# Allegro board C000PD020-3399PRO-DMEB-A-A01.brd (continued)
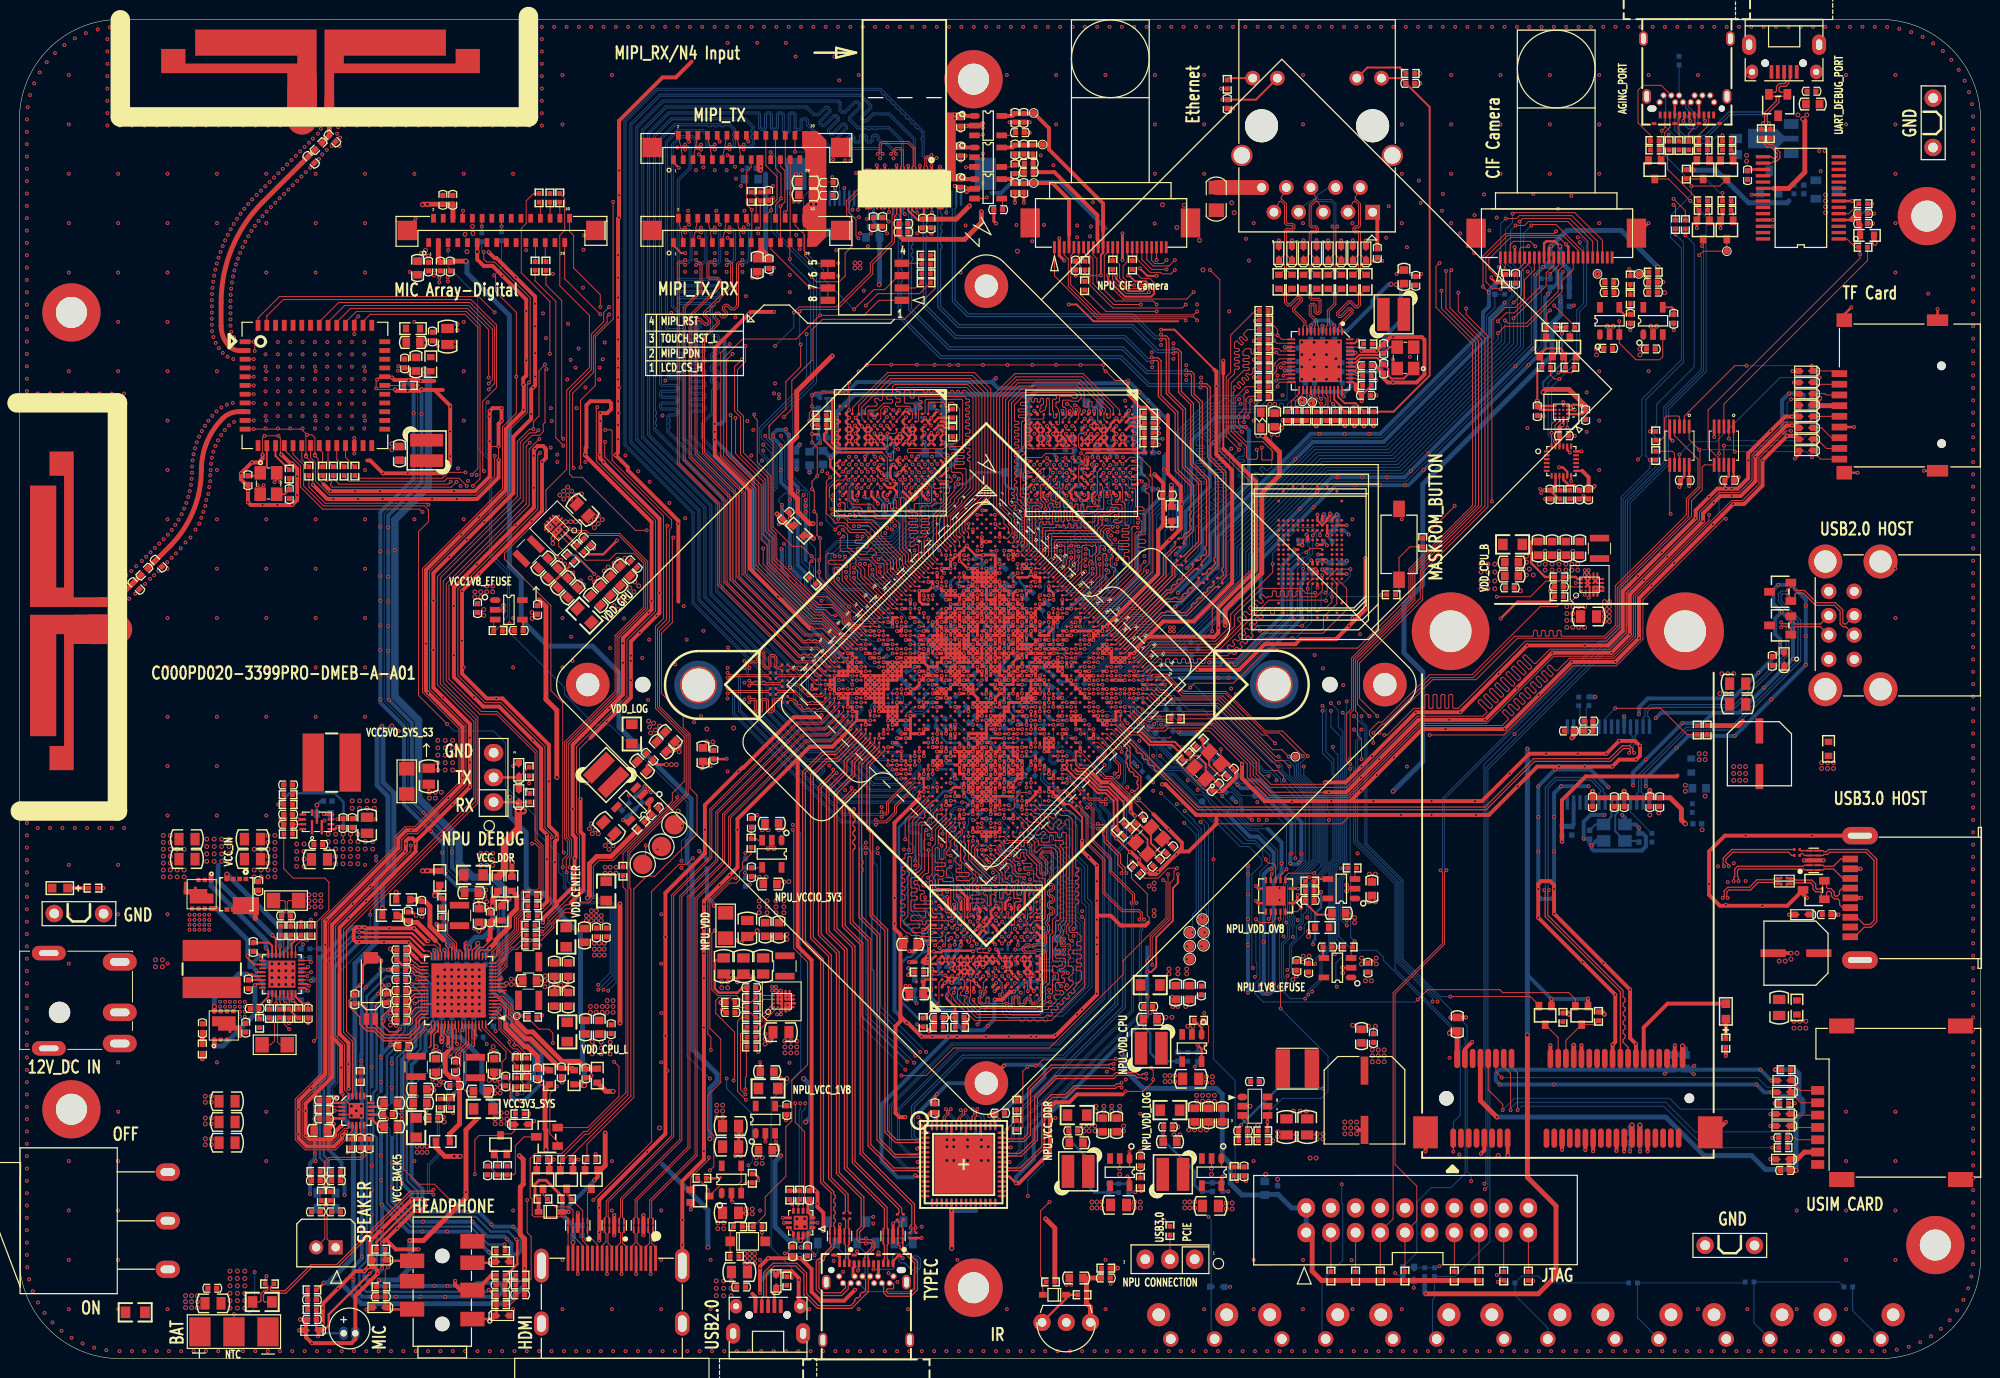
[diagram p0: board, top side]
## Routing (per net, layer and track width the routed paths; a pad name or vN(x,y) marks a point on that pad's centre or on a via; arc(x,y) is an arc through that point) (continued)
  BOTTOM w0.127: C1101.2 116.24,65.89 v1(116.26,65.9)
  BOTTOM w0.203: 87.1,52.49 86.89,52.49 86.69,52.28 86.69,35.22 v1(91.36,30.54) ; 87.1,52.49 v1(87.1,52.59) ; 87.1,52.49 87.3,52.49 87.66,52.13 87.66,50.96 87.71,50.91 87.71,40.09 87.91,39.89 87.91,35.42 v1(92.18,31.15) ; v1(92.38,117.92) 92.39,117.93 J5000.10 ; v1(75.16,48.78) 74.9,48.78 R1509.2 ; J5000.4 95.39,117.93 v1(95.38,117.92) ; J5000.7 93.89,117.93 v1(93.9,117.92) ; v1(123.37,75.19) 123.37,75.5 123.88,76.01 ; v1(108.22,71.65) 108.44,71.43 R1300.2 ; v1(109.35,53.29) 109.35,55.13 108.41,56.07 108.18,56.07 v1(106.39,57.86)
  BOTTOM w0.254: v1(116.8,91) 116.69,90.89 C3609.2 ; v1(97.19,61.54) 97.34,61.69 C1063.2 ; 104.39,69.36 104.55,69.52 v1(104.55,69.81) 104.61,69.88 C1108.2 ; C1702.2 92.8,71.85 v1(92.6,71.65) ; C1219.2 97.01,78.82 v1(97.19,79) ; v1(99.95,67.05) 100.21,66.79 C1505.2 ; C4710.2 C4711.2 158.58,111.58 v1(158.83,111.82) ; v1(105.01,70.27) 105.16,70.43 C1105.2 ; R2213.2 v1(124.38,17.19) ; C3124.2 103.91,46.58 v1(103.94,46.56) ; v1(86.04,96.81) 86.36,97.13 86.54,97.13 C3614.2 ; v1(91.22,65.68) 91.17,65.63 C2609.2 91.17,64.8 v1(91.22,64.76) ; 119.3,70.06 118.08,70.06 117.37,69.35 v1(116.04,69.35) ; v1(94.46,97.54) 93.95,98.05 C3613.2 ; R3608.2 116.65,95.34 117.08,95.76 v1(117.22,95.76) ; C1209.2 98.88,82.37 v1(99.19,82.68) 99.28,82.78 C1211.2 ; 45.69,35.18 45.69,35.55 v2(45.9,35.75) ; v1(92.31,36.57) 92.13,36.75 C3117.2 R3107.2 ; U2102.39 v1(102.01,21.73) ; C3631.2 89.66,92.84 v1(89.54,92.97) ; C1215.2 101.93,78.87 v1(101.33,79.46) 101.54,79.67 101.54,79.7 ; C1017.2 105.19,74.87 ; 105.19,74.87 105.34,74.87 C1713.2 ; 105.19,74.87 v1(105.01,74.87) ; R2271.2 63.43,57.98 v1(64.34,58.89) ; v1(99.03,60.62) 99.05,60.64 99.05,60.9 ; v1(97.65,69.35) 97.97,69.67 C1406.2 98.29,69.97 C1722.2 ; v1(91.87,94.31) 92.19,94.63 C3618.2 ; v1(104.55,68.89) 104.51,68.93 C1431.2 103.93,68.59 v1(104.09,68.43) 104.06,68.43 C1401.2 ; C1504.2 92.32,76.25 v1(91.68,76.25) ; v1(88.52,91.95) 88.61,92.04 C3640.2 ; v1(115.12,70.27) 115.55,70.27 116.15,70.88 118.69,70.88 ; C3110.2 107.62,39.93 v1(107.87,39.67) ; v1(99.95,62.46) 100.11,62.62 C1115.2 ; v1(96.57,39.34) 96.57,38.71 96.67,38.62 ; v1(94.49,95.21) 94.54,95.27 C3622.2 C3623.2 ; C3629.2 87.39,87.52 v1(87.45,87.46) ; R1205.2 103.82,78.81 v1(103.63,79) 103.45,79.19 C1225.2 102.94,79.94 C1212.2 ; C1207.2 102.71,78.08 v1(102.71,78.09) ; v1(89.54,92.97) 89.85,93.28 C3617.2 ; v1(89.54,92.97) 89.23,93.27 C3650.2 ; C1234.2 97.86,56.28 v1(98.11,56.02) ; 100.83,80.14 100.87,80.1 v1(100.87,79.92) ; C1221.2 v1(95.36,77.17) ; v1(99.49,71.19) 99.3,71.39 C1033.2 99.19,71.5 v1(99.03,71.65) ; v1(90.76,75.33) 91.67,75.33 R1903.2 ; C3646.2 109.52,95.82 v1(109.66,95.96) ; v1(105.08,94.21) 104.85,93.98 C3612.2 ; C1060.2 98.97,63.38 v1(99.03,63.38) 99.3,63.64 C9926.2 ; v1(94.44,73.49) v1(94.9,73.03) 94.98,72.95 ; v1(94.44,73.49) v1(93.98,73.03) v1(93.52,73.49) 93.56,73.54 C1501.2 93.81,73.95 v1(93.98,73.95) v1(94.44,73.49) ; v1(94.44,73.49) 95.04,74.09 C1042.2 ; v1(96.73,61.08) 96.86,61.2 C1062.2 ; v1(107.2,38.32) 106.88,38.64 C3104.2 ; v1(98.11,79.92) 97.98,79.79 C1206.2 ; C1038.2 99.53,79.43 v1(99.49,79.46) ; C1038.2 100.37,78.59 v1(100.41,78.54) ; C1038.2 98.61,78.59 v1(98.57,78.54) 98.56,78.53 C1028.2 ; v1(98.57,67.51) 98.69,67.63 C1403.2 ; v1(109.46,86.56) 109.34,86.69 C3620.2 ; v1(91.89,95.26) 91.78,95.37 C3616.2 ; 101.72,58.98 101.72,58.85 v1(101.79,58.78) ; C1050.2 98.65,76.63 v1(98.57,76.71) 98.57,76.83 C1052.2 98.24,77.17 v1(98.11,77.17) 98.11,77.34 C1205.2 97.83,77.63 v1(97.65,77.63) ; v1(101.33,60.16) 101.39,60.22 C1116.2 ; v1(100.87,65.22) 101.22,64.87 C1507.2 ; v1(99.95,57.86) 100,57.86 C1418.2 ; v1(103.17,56.48) 103.12,56.48 C1226.2 102.65,58.13 R1207.2 ; v1(96.27,67.05) 96.74,66.59 R1403.2 ; U9705.52 98.41,21.23 v2(97.56,20.38) U2102.57 96.91,20.23 ; R1108.1 105.93,65.86 105.49,66.3 105.49,67.04 v1(105.47,67.05) ; v1(93.06,64.76) 93.39,65.09 TP4612.1 ; v1(102.25,71.19) 102.02,71.42 C1007.2 ; v1(103.17,61.08) 103.09,61.16 103.09,61.29 ; v1(102.25,70.27) 102.25,70.42 C1003.2 102.04,70.48 v1(101.79,70.73) ; R1703.2 91.85,68.43 v1(91.22,68.43) ; C4709.2 159.85,108.28 v1(159.94,108.37) ; C1005.2 103.7,70.8 v1(103.63,70.73) ; C3600.2 110.07,98.04 v1(110.07,97.48) ; v1(106.39,75.33) 106.29,75.23 C1713.2 ; C1300.2 106.44,71.71 v1(106.39,71.65) ; 96.67,38.62 C3116.2 ; 96.67,38.62 95.97,38.62 v1(95.94,38.66) 95.24,38.66 v1(95.23,38.65) ; 96.67,38.62 96.67,38.88 v1(97.18,39.4) ; v1(97.65,58.32) 97.81,58.17 C1229.2 ; C1025.2 100.78,77.26 v1(100.87,77.17) 100.87,77.05 101.21,76.71 v1(101.33,76.71) ; C1080.2 100.58,57.58 v1(100.41,57.4) 100.42,57.4 C1231.2 ; v1(100.41,75.79) 100.32,75.88 100.32,76 100.07,76.25 v1(99.95,76.25) 99.86,76.33 C1026.2 99.61,76.71 v1(99.49,76.71) 99.4,76.8 C1029.2 ; C1713.2 105.88,75.05 105.88,74.5 ; 96.91,20.23 U9705.49 ; 96.91,20.23 95.41,21.73 U9705.46 ; C1066.2 98.51,62.92 v1(98.57,62.92) ; v1(107.01,94.21) 106.5,93.7 C3641.2 ; C1021.2 98.36,71.9 v1(98.57,72.11) ; C1407.2 101.31,68.41 v1(101.33,68.43) ; v1(93.06,67.51) 92.86,67.71 R1702.2 ; 107.65,93.97 C3635.2 ; v1(103.17,72.11) 102.88,72.11 C1011.2 102.68,72.54 v1(102.71,72.57) ; v1(101.33,62.92) 101.46,62.92 C1118.2 101.97,62.41 C1117.2 ; C3625.2 85.03,94.06 v1(85.39,94.41) ; C3615.2 93.13,96.84 v1(93.19,96.78) ; J5000.1 96.89,120.29 97.26,120.66 ; C1016.2 104.33,74.07 103.9,74.49 C1020.2 103.71,74.49 v1(103.63,74.41) ; C1204.2 v1(103.63,77.17) ; C1419.2 100.41,59.26 v1(100.41,59.24) ; v1(109.6,91.11) 109.2,91.52 C3637.2 ; 44.48,35.08 v2(44.48,35.75) ; v1(87.3,94.39) 86.96,94.72 C3619.2 86.96,94.87 v1(87.3,95.2) ; C1202.2 94.75,76.56 v1(94.44,76.25) ; R2220.2 114.79,17.09 v1(114.83,17.13) ; 100.96,59.89 100.96,59.79 v1(100.87,59.7) ; v1(96.27,57.86) 96.4,57.98 C1228.2 ; v1(99.49,60.16) 99.55,60.22 C1057.2 ; v1(95.82,72.11) 96.03,72.11 C1041.2 ; v1(95.82,72.11) 94.98,72.95 ; v1(95.82,72.11) v1(96.27,71.65) 96.94,71.65 C1053.2 97.49,72.11 v1(97.65,72.11) ; C1714.2 104.49,76.31 v1(104.55,76.25) ; C7506.2 104.28,67.71 v1(104.55,67.97) ; v1(95.82,59.24) 95.83,59.23 96.12,59.23 C1233.2 ; v1(82.6,91.32) 82.68,91.39 C3608.2 ; v1(108.33,90.39) 108.63,90.69 C3628.2 ; v1(89.91,13.89) 90.11,14.09 U2604.3 ; v1(111.18,88.73) 111.14,88.69 C3639.2 ; C3627.2 89.76,86.82 v1(90.08,87.14) 89.94,87.27 C3607.2 ; R3610.2 C3649.2 81.76,97.8 v1(81.56,98) ; v1(99.03,73.49) 99.2,73.65 99.2,73.71 ; C1100.1 113.37,66.51 v1(113.28,66.59) ; C3624.2 95.82,92.65 v1(95.53,92.94) 95.3,93.17 C3626.2 ; C3103.2 v1(99.75,39.4) ; v1(105.08,95.16) 105.01,95.09 C3604.2 ; 102.68,70.05 102.68,69.85 v1(102.71,69.81) ; J5000.4 v1(95.39,120.6) ; v1(98.57,63.84) 98.29,63.55 C1304.2 ; 43.46,35.08 43.46,35.34 v2(43.05,35.75) ; v1(99.49,58.32) 99.61,58.44 C1058.2 ; 99.2,73.71 98.96,73.95 v1(98.57,73.95) 98.11,74.41 98.09,74.41 98.08,74.42 C1048.2 ; 99.2,73.71 99.43,73.95 v1(99.49,73.95) ; v1(99.95,56.94) 99.96,56.94 C1230.2 ; C1701.2 96.27,71.21 v1(96.27,70.73) ; v1(107.77,73.03) 107.59,72.85 C1900.2 ; C1112.2 105.99,69.35 v1(105.93,69.35) 105.4,68.83 105.4,68.7 105.28,68.7 v1(105.01,68.43) ; v1(97.65,68.43) 97.95,68.73 C1010.2 ; v1(109.58,88.86) 109.52,88.92 C3647.2 ; C1400.2 103.17,67.46 v1(103.17,67.51) ; C1031.2 102.02,76.48 v1(102.25,76.71) ; v1(97.87,39.37) 97.85,39.39 97.85,39.82 C3125.2 ; C3632.2 101.9,89.5 101.4,90.01 C3621.2 98.51,91.19 97.31,89.99 v1(96.62,89.99) 96.32,89.69 C3633.2 ; C1210.2 95.82,79.93 v1(95.82,79.46) ; v1(99.03,57.86) 99.15,57.98 C1056.2 ; v1(92.38,21.6) 92.5,21.73 U2102.4 ; C1018.2 104.17,74.95 v1(104.09,74.87) ; C9933.2 95.86,62.87 v1(96.27,62.46) ; R3600.2 117.02,97.29 v1(117.22,97.49) ; C1602.2 92.14,73.68 92.14,72.82 C1502.2 92.4,72.77 v1(92.6,72.57) ; C3118.2 100.24,43.26 v1(100.41,43.43) ; 103.83,76.79 104.01,76.79 v1(104.09,76.71) ; C1208.2 95.82,77.62 v1(95.82,77.63) ; C1433.2 100.28,67.38 v1(100.41,67.51) 100.41,68.15 C1405.2 C1402.2 ; v1(102.71,62.46) 102.53,62.28 C1120.2 ; C1235.2 98.26,57.71 v1(98.11,57.86) ; C4705.2 157.26,112.79 v1(156.79,112.33) ; v1(105.01,72.11) 104.98,72.09 C1111.2 ; 99.25,75.38 99.25,75.11 v1(99.49,74.87) 99.78,74.58 C1109.2 99.87,74.41 v1(99.95,74.41) ; v1(98.57,65.68) 98.29,65.96 R1103.2 ; C3121.2 103.25,42.33 103.03,42.11 102.84,42.11 102.82,42.09 v1(102.45,42.09) ; v1(98.11,62.46) 98.05,62.46 C1064.2 ; v1(105.01,73.03) 105.29,73.31 C1901.2 105.4,73.49 v1(105.47,73.49) ; 94.98,72.95 C1700.2 ; v1(106.85,75.79) 106.82,75.76 C1903.2 ; v1(96.73,78.54) 96.54,78.54 96.3,78.31 ; v1(95.36,67.97) 95.72,67.61 R1402.1 ; v1(95.36,68.89) v1(94.9,68.43) 94.83,68.5 C1703.2 94.6,69.06 v1(94.44,68.89) v1(93.98,68.43) ; C1104.2 105.64,71.48 v1(105.47,71.65) ; C3606.2 108.79,97.57 v1(108.79,97.62) ; 98.7,57.23 98.7,57.28 v1(98.57,57.4) ; C3106.2 v1(100.44,48.12) ; v1(101.33,69.35) 101.35,69.37 C1430.2 ; C1404.2 96.67,69.41 v1(96.73,69.35) ; C3107.2 v1(100.48,42.11) ; C3127.2 98.81,34.63 v1(98.58,34.39) ; v1(93.98,70.27) 93.79,70.46 C1723.2 93.77,70.48 v1(93.52,70.73) v1(93.06,70.27) v1(92.6,69.81) ; v1(103.17,75.79) 103.29,75.67 C1015.2 ; C3636.2 108.56,91.39 v1(108.33,91.16) ; v1(107.71,94.03) 107.48,94.26 C3601.2 ; C1072.2 97.37,63.55 v1(97.65,63.84) ; C3109.2 104.65,38.08 104.48,37.9 ; C1061.2 97.22,59.73 v1(97.19,59.7) ; R1204.2 94.65,79.22 v1(94.9,79.46) ; C1107.2 108.06,69.64 v1(108.22,69.81) ; 100.69,72.11 100.42,72.11 v1(100.41,72.11) ; v1(94.44,60.62) 94.46,60.65 C9934.2 ; v1(88.05,92.8) 87.86,92.99 C3638.2 ; C1049.2 96.79,76.76 v1(96.73,76.71) ; v1(97.65,79.46) 97.47,79.28 C1216.2 ; C3603.2 111.82,94.92 v1(111.58,95.16) 111.82,95.39 C3605.2 111.82,95.72 v1(111.58,95.96) 111.2,96.33 C3602.2 ; 101.18,69.51 101.15,69.53 C1035.2 101.04,69.64 v1(100.87,69.81) 100.52,70.16 100.52,70.43 ; v1(120.93,30.03) 121.23,30.34 R2212.2 ; 110.98,93.32 110.98,93.47 C3634.2 110.41,93.13 110.41,93.05 ; R1514.2 94.1,74.99 v1(94.44,75.33) 94.52,75.41 C1503.2 ; v2(74.19,20.89) 74,21.08 C2614.2 ; C1704.2 96.58,70.27 v1(96.73,70.27) ; v1(98.58,48.5) C3126.2 ; v1(78.11,21.45) v1(78.11,21.85) ; U2102.7 v1(92.43,20.23) ; C3123.2 93.19,47.45 v1(93.21,47.46) ; C9940.2 94.21,26.99 ; U2102.36 v1(101.88,20.23) ; v1(103.17,77.63) 103.17,77.62 C1203.2 ; v1(117.22,96.4) 117.09,96.27 R3602.2 116.48,96.27 ; v1(95.46,48.02) 95.29,48.19 C3122.2 ; U2603.3 83.11,13.84 ; C3610.2 113.55,94.37 v1(113.53,94.36) ; v1(140.23,112.94) v1(139.37,112.94)
  BOTTOM w0.305: v1(101.33,74.87) 101.43,74.77 101.43,74.7 C1037.2 ; R1400.2 116.31,59.65 116.36,59.65 116.66,59.35 v1(116.66,59.29) ; U2102.10 92.31,18.73 v1(92.18,18.86) ; v1(107.52,42.06) 107.34,42.06 107.29,42.01 107,42.01 ; C3102.2 94.57,40.11 ; 94.57,40.11 94.57,39.84 94.98,39.43 v1(95.29,39.43) ; 94.57,40.11 94.57,40.28 ; 110.41,93.05 v1(110.41,92.76) ; v1(91.11,117.77) 90.89,117.99 J5000.13 ; v1(107.52,41.61) 107.02,41.61 C3100.2 ; 110.98,93.32 v1(110.98,92.72) ; v1(83.95,120.46) 83.89,120.4 J5000.27 ; 101.79,40.49 101.79,40.14 v1(101.73,40.08) ; 101.79,40.49 101.75,40.49 v1(101.19,41.04) ; 101.79,40.49 C3105.2 ; 104.48,37.9 v1(104.37,37.8) ; R1706.2 105.91,77.65 v1(105.47,78.09) ; v1(94.68,42.25) 94.96,41.97 C3101.2 95.33,41.75 v1(95.33,41) ; v1(136.78,84.8) 136.37,85.2 C4103.2 ; R1401.2 v1(115.04,60.92) ; 101.18,69.51 v1(101.33,69.35)
  BOTTOM w0.381: v1(114.18,97.56) 114.07,97.45 C3611.2
  BOTTOM w0.406: C4700.2 151.71,110.42 151.21,109.91 v1(151.21,109.69) 151.21,108.27 150.6,107.66 150.6,105.73 140.02,95.16 v1(138.9,95.16) v1(136.36,95.16) v1(133.82,95.16) 132.87,95.16 122.53,84.82 122.53,82.13 v1(119.2,78.8) ; v1(161.47,58.89) v1(158.62,58.89) 157.91,58.18 v1(157.91,55.74) v1(157.91,52.18) v1(157.91,48.32) 157.91,47.61 157.61,47.31 156.59,47.31 156.29,47.61 v1(156.29,48.32) v1(156.29,52.18) v1(156.29,55.74) v1(156.29,58.89) v1(158.01,60.62) 161.67,60.62 v1(163.5,58.79) ; C8303.2 169.81,29.84 v1(169.29,29.32) ; 37.31,31.35 38.18,32.22 v1(38.18,32.29) 38.18,32.95 v1(39.14,33.92) ; 37.31,31.35 37.31,34.55 ; 37.31,31.35 37.21,31.25 v1(37.21,31) v1(37.21,28.46) 37.21,27.49 ; 37.31,34.55 v1(37.47,34.71) 37.47,34.94 38.18,35.65 v2(38.18,35.55) ; 37.31,34.55 37.31,36.23 37.96,36.88 C2127.2 ; 72.57,104.66 72.57,96.58 72.16,96.18 v1(71.55,96.18) v1(71.55,95.36) v1(71.55,94.55) 75.51,90.59 75.51,80.94 v1(78.05,78.4) 78.36,78.09 78.56,78.09 v1(81.51,75.14) 84.08,72.57 84.32,72.57 v1(85.24,71.65) ; v1(119.25,64.48) 119.46,64.27 121.23,64.27 v1(124.74,60.77) 126.01,59.5 127.64,59.5 131.9,55.23 v1(131.9,51.98) 131.9,51.88 131.92,51.86 131.92,51.29 v1(131.67,51.03) 131.5,50.86 130.89,50.86 v1(130.78,50.96) 130.78,51.88 v1(130.89,51.98) 130.89,55.13 127.31,58.71 125.68,58.71 v1(125.33,59.05) 121.74,62.65 120.83,62.65 ; C4101.2 134.99,86.81 v1(134.85,86.95) ; v1(174.32,66.46) 173.25,65.39 v1(171.12,65.39) v1(167.36,61.63) 166.04,60.31 v1(166.04,58.99) ; v1(174.32,66.46) 168.94,66.46 v1(168.38,65.9) ; v1(174.32,66.46) 176.96,66.46 v1(179.55,69.05) v1(182.5,71.99) 182.5,75.65 v1(181.33,76.82) ; v1(78.5,8.99) v1(77.82,8.99) 77.23,8.99 76.2,7.96 v1(76.2,6.77) ; 80.39,80.33 v1(79.31,81.41) 79.27,81.44 v1(79.27,86.49) v1(79.27,88.35) 79.27,89.27 78.36,90.18 v1(78.36,91.4) v1(78.36,93.94) 77.55,94.75 v1(77.55,94.96) 77.55,95.16 77.95,95.57 78.66,95.57 v1(79.17,95.06) 79.17,90.59 80.09,89.67 v1(80.09,89.27) 80.09,81.65 81,80.73 ; 111.79,116.29 107.01,121.07 102.13,121.07 101.02,119.95 100,119.95 ; v1(161.77,52.79) 161.57,53 C2815.2 161,53.46 v1(160.96,53.5) 160.96,55.23 161.67,55.94 v1(163.09,55.94) ; v1(161.77,52.79) 161.77,52.49 161.98,52.28 166.95,52.28 167.36,52.69 167.36,53.71 167.01,54.05 C2814.2 v1(166.65,54.62) 166.31,54.96 Y2800.4 165.21,55.65 v1(164.92,55.94) ; v1(161.77,52.79) 162.24,53.26 Y2800.2 ; 38.33,26.38 v1(38.33,27.87) v1(38.33,30.41) 38.33,30.95 ; v1(90.57,91.16) 90.38,91.16 C3652.2 ; v1(118.34,84.24) 119.18,85.08 119.18,87.49 v1(119.63,87.94) 120.57,88.88 120.57,94.41 123.04,96.87 v1(125.45,96.87) v1(126.42,96.87) ; 82.23,99.17 82.23,98.99 C3651.2 ; 82.23,99.17 82.37,99.17 82.64,99.45 v1(82.78,99.45) v1(84.23,99.45) v1(85.06,99.45) 85.14,99.45 86.18,100.49 100.08,100.49 100.23,100.64 ; 82.23,99.17 81.62,99.17 v1(81.56,99.12) ; 100.23,100.64 v1(100.48,100.89) ; 100.23,100.64 100.23,100.31 100.69,99.85 104.04,99.85 104.55,100.36 114.35,100.36 v1(115.25,99.46) v1(116.14,98.57) v1(117.22,97.49) 118.19,96.53 118.19,93.23 117.78,92.82 v1(117.78,91.48) 117.78,88.96 115.75,86.93 115.75,85.3 115.04,84.59 115.04,80.33 112.9,78.19 109.04,78.19 108.22,77.37 v1(108.22,77.17) ; v1(41.63,34.5) 40.77,33.64 40.77,32.17 39.34,30.74 v1(39.34,25.56) v1(39.34,25.06) v1(39.34,24.65) v1(39.34,18.04) 40.36,17.03 v1(40.36,16.37) 40.36,15.61 40.77,15.2 v1(40.97,15.2) 41.22,15.2 ; v1(91.68,68.89) 91.25,69.32 R1700.2 R1704.2 ; v1(180.26,27.4) 179.55,27.4 v1(178.74,28.2) v1(157.91,28.2) v1(152.32,28.2) 151.92,28.61 151.92,29.32 152.32,29.73 v1(179.15,29.73) v1(180.26,28.61) ; C1201.2 115.7,89.76 v1(115.88,89.93) ; 92.58,25.36 v1(93.75,26.53) v1(94.41,27.19) 95.56,28.34 U1000.3 v1(101.29,30.14) 101.39,30.24 105.08,30.24 105.49,29.83 105.49,28.92 102.95,26.38 102.24,26.38 101.36,25.5 C9939.2 ; v1(109.35,53.29) 109.35,52.27 v1(110.02,51.6) v1(110.87,50.75) v1(110.87,49.12) v1(110.87,47.1) v1(110.87,45.16) v1(110.87,43.33) v1(110.87,42.6) v1(110.87,41.62) v1(110.87,37.55) 110.87,37.45 v1(109.34,35.91) v1(108.84,35.42) 106.71,33.28 v1(106.6,33.28) 106.45,33.13 v1(104.63,33.13) v1(104.1,33.13) v1(99.45,33.13) v1(96.48,33.13) 95.68,33.13 ; 42.9,34.4 41.78,33.28 41.78,31.66 40.36,30.24 40.36,18.55 41.48,17.44 v1(41.48,16.42) 41.63,16.27 41.63,15.61 41.22,15.2 ; 119.3,70.06 v1(123.37,70.06) v1(124.43,70.06) 125.81,70.06 131.88,76.13 131.88,79.89 132.16,80.18 C4102.2 ; v1(181.33,76.82) 180.47,77.68 180.47,79.11 v1(180.98,79.61) 182.3,79.61 183.82,78.09 v1(183.82,77.48) v1(183.82,74.33) v1(183.82,71.38) v1(180.26,67.83) v1(176.5,64.07) 171.73,64.07 v1(170.51,62.85) 167.36,59.7 v1(167.36,58.89) ; v1(181.33,76.82) 180.67,76.16 180.67,74.53 181.18,74.03 v1(181.18,73.72) v1(181.18,73.21) 181.18,72.81 v1(180.98,72.6) v1(178.94,70.57) 176.3,67.93 167.56,67.93 166.65,67.02 v1(166.65,66.3) ; C8306.2 v1(165.74,21.3) ; v1(122.4,71.64) 125.15,71.64 129.97,76.46 129.97,81.67 131.19,82.89 v1(131.19,83.24) ; 41.22,15.2 41.33,15.1 v1(46.41,15.1) 47.27,15.1 v1(48.58,13.79) 48.79,13.57 v1(50.83,13.57) 51.64,12.76 51.64,11.14 51.23,10.73 50.72,10.73 50.62,10.63 ; v1(172.34,30.14) 172.04,29.84 171.72,29.84 ; C8302.2 171.72,29.84 ; 171.72,29.84 v1(172.29,29.27) ; v1(95.73,42.52) 95.73,42.16 C3101.2 ; 35.79,8.09 35.48,8.39 v1(35.48,9) v1(35.89,9.41) 36.25,9.76 v1(36.25,12.25) v1(36.25,14.79) v1(36.25,17.33) v1(36.25,19.87) 36.25,22.31 ; 35.79,8.09 36.4,7.48 v1(42.7,7.48) v1(44.07,7.48) 46.76,7.48 47.07,7.78 49.4,7.78 49.71,7.48 49.71,6.87 49.2,6.36 v1(43.82,6.36) v1(41.28,6.36) v1(38.74,6.36) v1(36.2,6.36) 35.28,6.36 34.37,7.28 v1(34.37,8.12) 34.37,9.41 35.23,10.27 v1(35.23,10.51) v1(35.23,13.05) v1(35.23,15.59) v1(35.23,18.13) 35.23,28.92 35.18,28.97 v1(35.18,30.03) v1(35.18,30.63) 35.18,31.3 35.23,31.35 35.23,37.81 v1(35.64,38.22) 37.44,40.02 v1(37.95,40.02) ; 35.79,8.09 36.2,8.09 v1(36.86,8.75) 37.31,9.21 v1(37.31,9.32) v1(37.31,11.85) v1(37.31,13.27) v1(37.31,15.81) ; 38.33,22.72 v1(38.33,20.16) v1(38.33,17.62) 38.33,16.22 40.46,14.08 v1(41.53,14.08) v1(46.61,14.08) 48.13,12.56 49.91,12.56 v1(50.17,12.3) 50.62,11.85 50.62,10.63 ; v1(121.16,74.28) 126.9,80.02 126.9,82.59 v1(131.75,87.44) v1(133.55,89.24) 135,90.69 v1(135.63,90.69) v1(138.17,90.69) v1(140.71,90.69) 142.52,90.69 v1(143.17,91.34) v1(144.97,93.13) v1(153.95,102.11) v1(155.74,103.91) 155.98,104.15 v1(155.98,111.52) v1(156.79,112.33) 157.84,112.33 158.25,111.92 158.25,110.64 157.84,110.23 C4701.2 157.51,109.79 v1(157.3,109.59) 157.3,109.48 157,109.18 157,103.94 v1(155.28,102.23) v1(144.5,91.45) 142.93,89.88 v1(142.57,89.88) v1(139.97,89.88) v1(137.43,89.88) 135.41,89.88 v1(134.94,89.4) v1(133.14,87.61) 127.71,82.18 127.71,78.34 ; v1(37.31,15.81) 40.06,13.07 v1(41.47,13.07) v1(44.01,13.07) 46.19,13.07 v1(48.32,10.94) 48.73,10.53 v1(50.52,10.53) 50.62,10.63 ; v1(37.31,15.81) 37.21,15.91 v1(37.21,18.35) v1(37.21,20.89) 37.21,23.12 ; 128.45,54.52 129.87,53.1 v1(129.87,50.96) 129.87,49.95 129.06,49.13 v1(129.06,38.57) 129.06,37.96 128.65,37.55 v1(128.35,37.55) 127.92,37.55 127.64,37.84 v1(127.64,38.47) 128.04,38.87 v1(128.04,42.89) 128.04,49.85 128.55,50.35 v1(128.85,50.35) 128.85,50.46 129.06,50.66 129.06,52.08 127.43,53.71 126.62,53.71 124.33,55.99 124.33,56.3 ; C8305.2 v1(166.75,21.3) ; 101.79,40.49 101.79,41.01 v1(101.75,41.04) ; v1(33.45,16.83) 33.45,17.94 33.15,18.25 v1(33.15,18.59) 33.15,20.18 31.83,21.5 31.83,28 32.33,28.51 32.33,40.22 v1(34.98,42.86) 35.41,42.86 35.7,43.15 35.7,44.15 35.47,44.38 v1(34.98,44.38) 34.18,44.38 30.91,41.11 30.91,29.04 30.4,28.53 v1(30.4,26.17) v1(30.4,21.09) 30.4,20.58 29.9,20.08 v1(29.9,18.6) v1(29.9,16.93) ; 116.05,42.33 v1(116.05,40.9) v1(116.05,39.79) 116.05,35.22 114.43,33.59 114.43,33.59 104.37,23.53 104.37,20.48 102.54,18.65 v1(102.54,18.04) ; v2(43.05,38.59) v2(43.05,37.88) v2(43.05,37.17) v2(43.05,36.46) v2(43.05,35.75) ; v1(41.38,99.73) v1(41.38,97.19) 41.38,90.18 37.95,86.75 v1(37.95,85.54) v1(37.95,83) v1(37.95,80.46) v1(37.95,77.92) v1(37.95,75.38) v1(37.95,72.84) v1(37.95,70.3) 37.95,67.85 v1(38.04,67.76) 40.39,65.41 40.39,57.38 v1(41.6,56.17) 44.53,53.24 v1(44.53,52.1) 44.53,50.56 45.85,49.24 ; v1(119,82.76) 119.99,83.75 119.99,87.18 122.48,89.67 122.48,93.86 v1(122.91,94.3) 124.48,95.87 v1(126.16,95.87) 126.52,95.51 126.52,90.02 121.72,85.22 121.72,82.94 v1(120.12,81.34) ; v1(116.76,65.29) 116.47,65 C1101.2 ; 96.6,48.44 v1(96.85,48.18) ; v1(40.06,100.69) 40.06,100.34 40.56,99.83 v1(40.56,97.29) 40.56,90.52 37.14,87.09 v1(37.14,85.61) v1(37.14,83.07) v1(37.14,80.53) v1(37.14,77.99) v1(37.14,75.45) v1(37.14,72.91) v1(37.14,70.37) v1(37.14,67.83) 37.14,67.51 39.57,65.07 39.57,57.05 v1(42.36,54.26) 43.61,53.01 43.61,50.05 45.44,48.22 v2(47.98,48.22) ; v1(94.62,41) 94.57,40.95 94.57,40.28 ; v1(38.02,38.47) 37.82,38.47 v1(37.52,38.16) v1(36.91,37.56) 36.25,36.89 v1(36.25,30.03) 36.25,28 ; 79.07,80.53 78.46,81.14 78.46,83.27 v1(78.41,83.32) ; v1(80.9,88.35) v1(80.9,87.77) v1(80.9,87.13) 80.9,82.15 ; 95.68,33.13 88.72,26.17 88.72,20.28 90.35,18.65 91.97,18.65 v1(92.18,18.86) ; 95.68,33.13 v1(95.59,33.13) v1(93.94,33.13) v1(92.82,33.13) 91.41,34.54 v1(91.31,34.54) 90.04,35.81 v1(90.04,44.75) v1(90.04,47.4) 90.04,49.73 ; 132,82.31 130.86,81.16 130.86,76.24 125.5,70.88 v1(121.23,70.88) 118.69,70.88 ; v1(78.46,87.84) 78.46,86.17 v1(78.16,85.86) ; 49.81,46.39 49.81,45.27 50.11,44.97 50.11,41.38 49.4,40.67 49.4,38.06 50.67,36.79 50.67,34.55 53.72,31.51 v2(53.72,28.33) 51.87,26.48 v1(51.64,26.48) 51.54,26.58 51.03,26.58 50.62,26.99 50.62,27.6 51.03,28 52.04,28 52.96,28.92 52.96,31.25 49.96,34.25 49.96,36.49 48.59,37.86 48.59,41.01 49.3,41.72 49.3,44.26 ; v1(118.92,77.35) 119.35,77.79 119.51,77.79 123.03,81.31 123.34,81.31 123.34,84.59 v1(131.31,92.56) 133.08,94.33 140.37,94.33 149.71,103.67 151.31,105.27 151.31,107.05 152.83,108.57 v1(152.83,108.67) ; v1(126.42,37.65) v1(126.42,42.59) v1(126.42,45.22) v1(126.42,47.76) v1(126.42,49.85) v1(126.42,50.76) ; C9100.2 183.3,99.32 v1(182.09,99.32) 181.38,98.61 181.38,95.46 v1(181.89,94.96) v1(182.6,94.96) 182.8,95.16 182.8,98.38 C9100.2
  BOTTOM w0.508: v1(134.07,81.2) 134.67,81.2 C4100.1 ; v1(82.73,13.17) 82.73,13.46 83.11,13.84 ; C1200.2 v1(81.31,91.2) ; C4104.2 136.37,81.87 v1(136.58,82.08)